# Altium PCB PCB1.PcbDoc
Units mm, origin at the board's own origin, x right, y up, seen from the top; angles counter-clockwise.
Board outline 51.18 x 88.52 mm, 2 copper layers (Top Layer, Bottom Layer); 71 components, 10 nets, 172 pads, 241 vias.
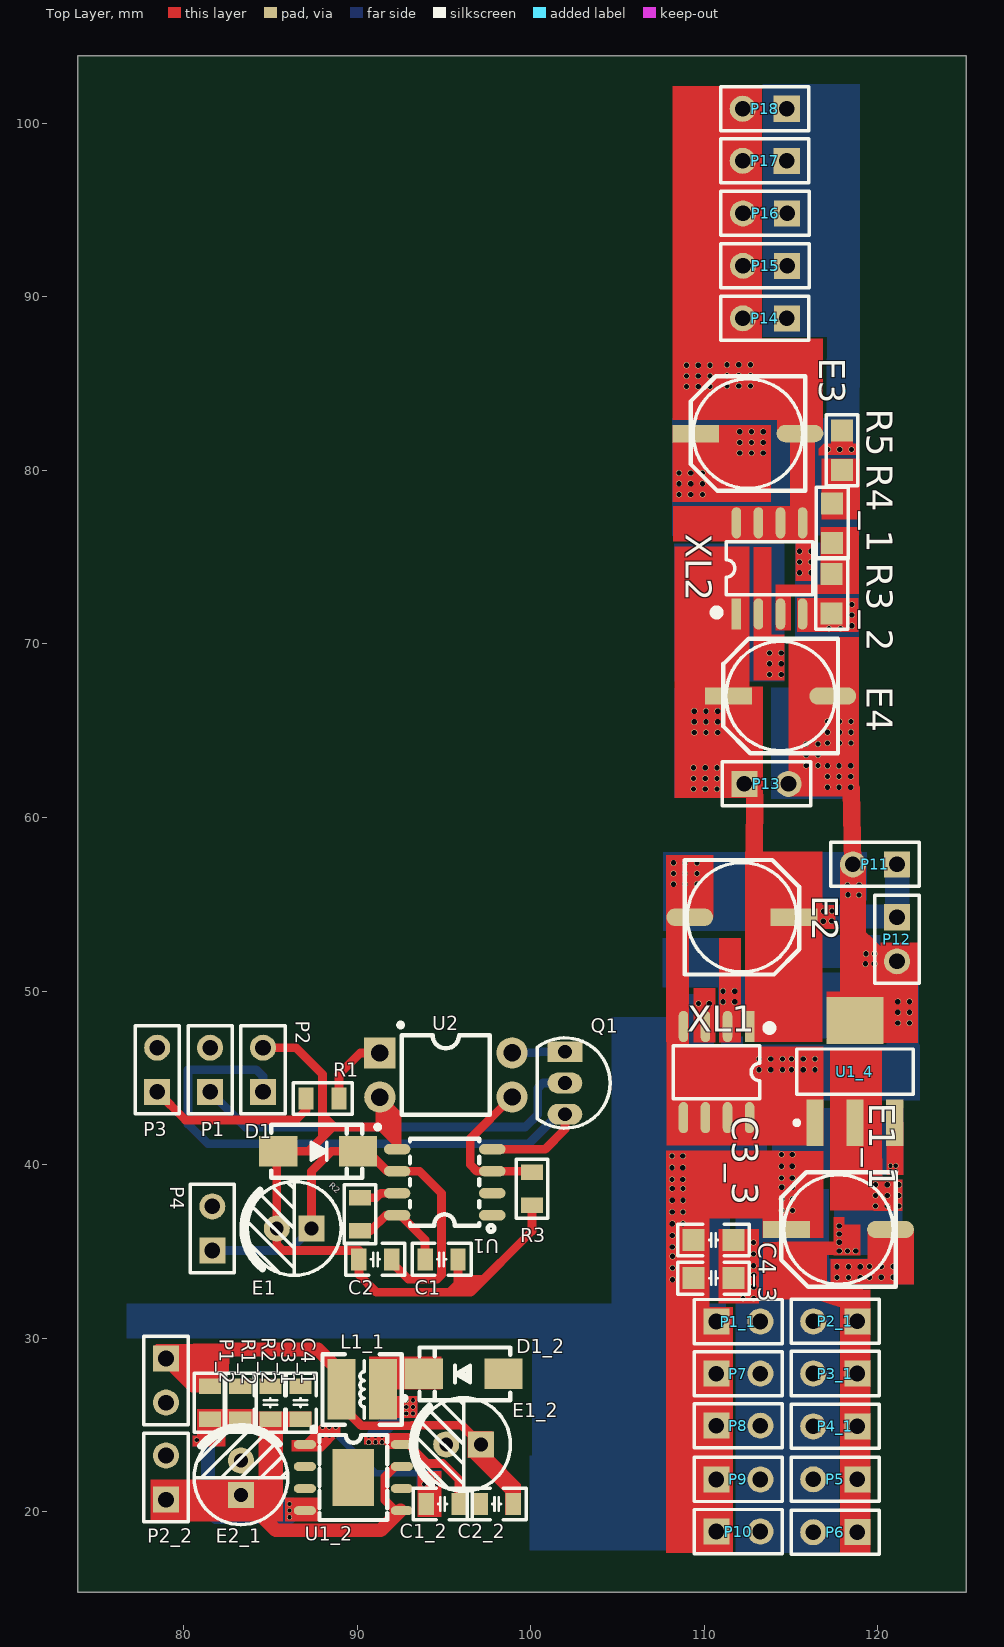
[diagram p0: Top Layer view]
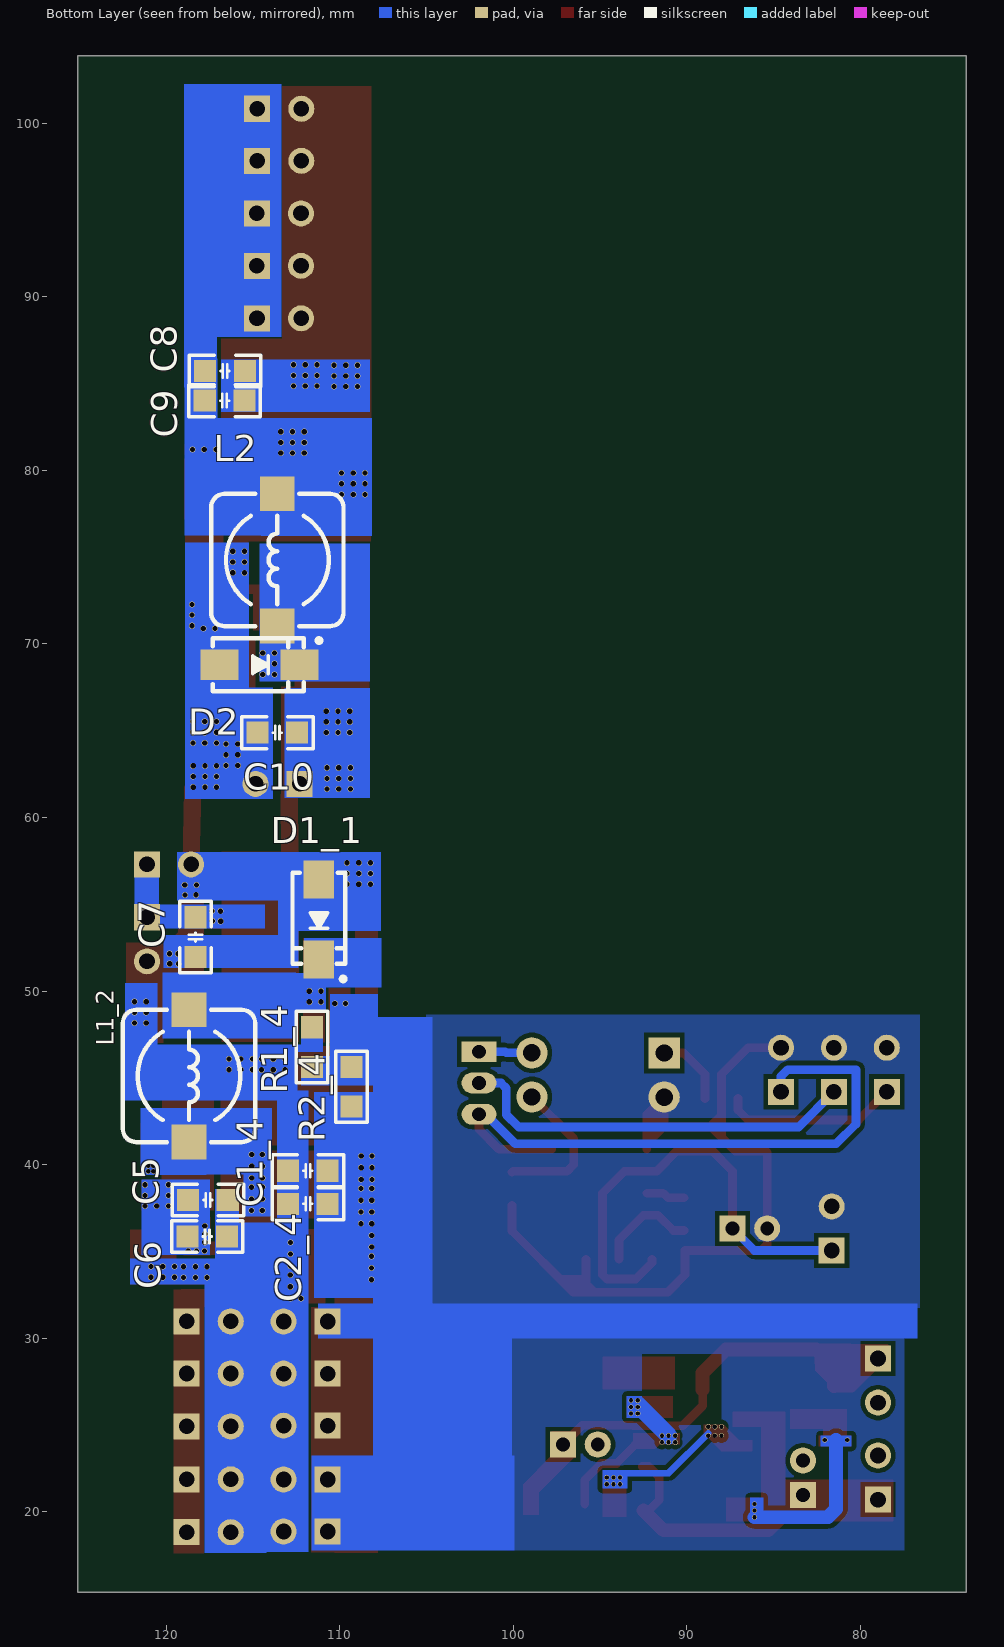
[diagram p1: Bottom Layer view, seen from below]
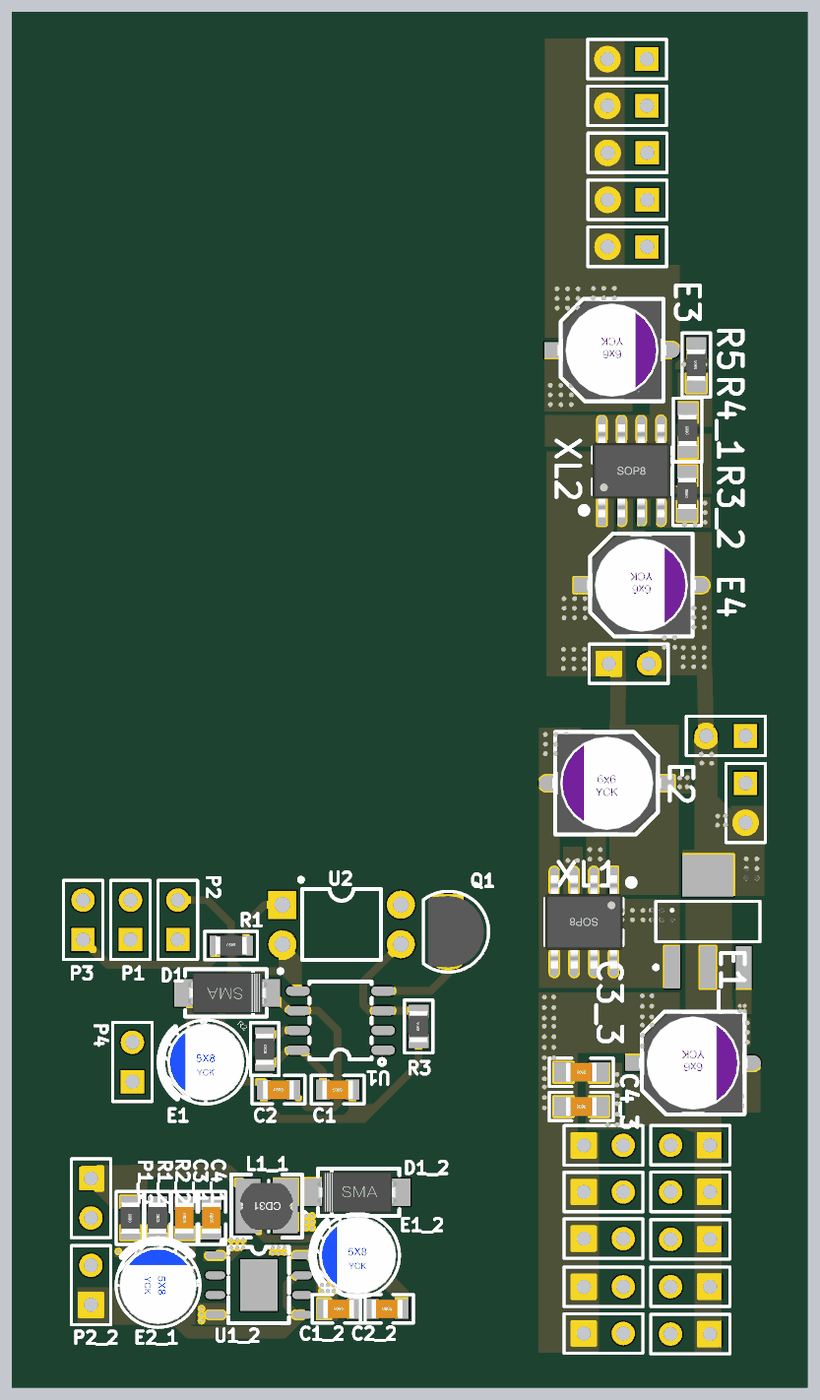
[diagram p2: 3D render of the assembled board from above, using the file's embedded part models]
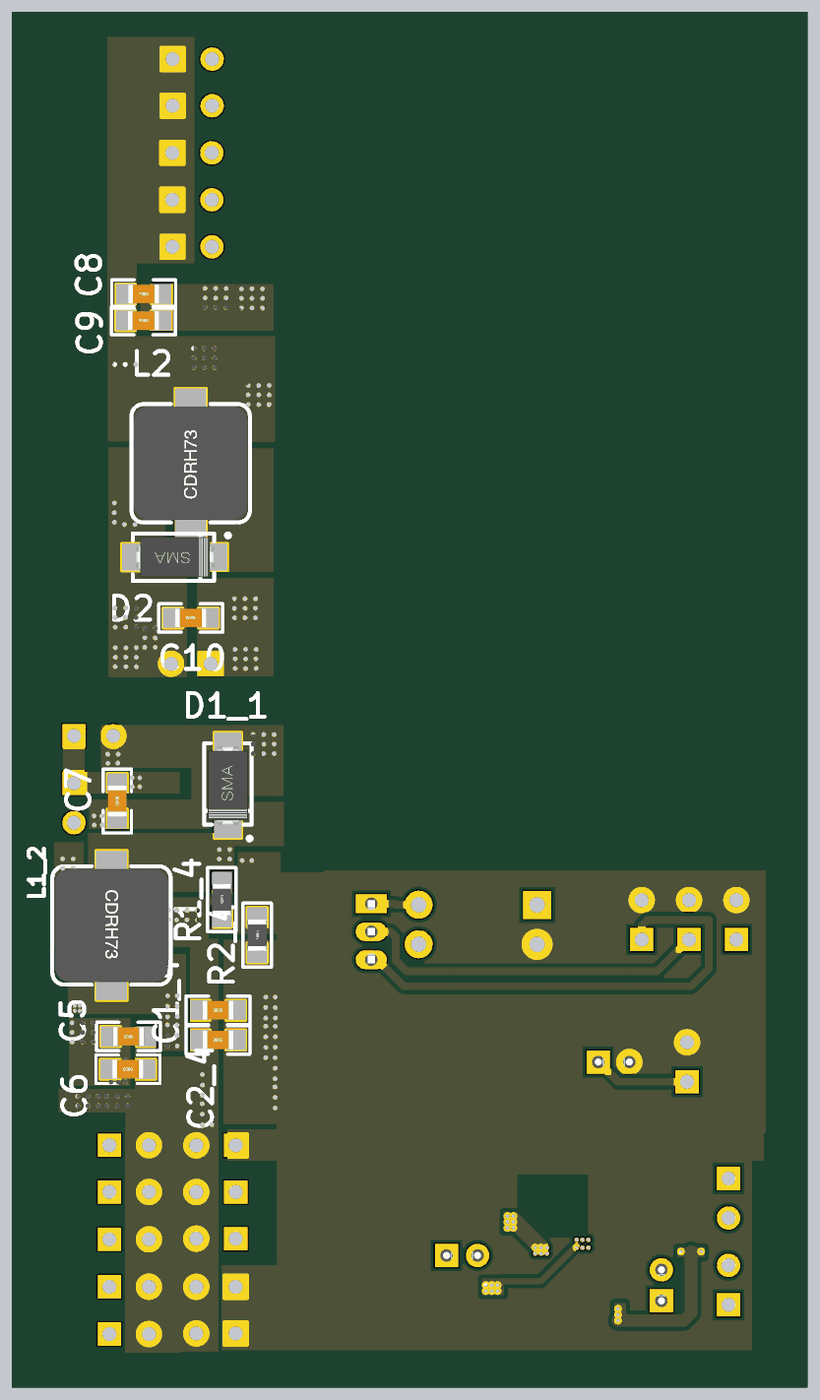
[diagram p3: 3D render of the assembled board from below, using the file's embedded part models]

## Layer stack, top to bottom
Top Solder: solder mask 0.0102, Solder Resist, Dk 3.5
Top Layer: signal copper 0.0356
Dielectric 1: dielectric 0.32, FR-4, Dk 4.8
Bottom Layer: signal copper 0.0356
Bottom Solder: solder mask 0.0102, Solder Resist, Dk 3.5

## Board outline
73.914,15.367 73.914,103.886 125.095,103.886 125.095,15.367

## Design rules (kind name [scope] priority, off if disabled: settings)
Clearance [All] p1: gap=0.254 ignorepadtopadclearanceinfootprint=FALSE except(0: Arc-Hole Track-Hole SMDPad-Hole THPad-Hole Via-Hole Fill-Hole Poly-Hole Region-Hole Text-Hole)
PolygonConnect [All] p1: connectstyle=Direct reliefconductorwidth=0.254 reliefentries=4 polygonreliefangle="90 Angle" airgapwidth=0.254
RoutingVias [All] p1: holewidth=0.711 width=1.27 viastyle="Through Hole" minholewidth=0.711 minwidth=1.27 maxholewidth=0.711 maxwidth=1.27
SolderMaskExpansion [All] p1: expansion=0.102 istentingtop=FALSE
Width [All] p1: maxlimit=1 minlimit=0.254 preferedwidth=0.5
30 further rules are at their usual default settings.

## Classes and differential pairs
component class Sheet1: C1 C2 D1 E1 P1 P2 P3 P4 Q1 R1 R2 R3 U1 U2

## Components (designator, comment, footprint, x,y, rotation, side; value= is the part's Value field where it differs from the comment)
C1 "104" "C 0805_L" 94.869,34.544 r180 top
C1_2 "104" "C 0805_L" 94.93,20.447 r180 top (schematic designator C1)
C1_4 "104" "C 0805_M" 111.841,39.648 r180 bottom (schematic designator C1)
C2 "104" "C 0805_L" 91.059,34.544 r0 top
C2_2 "104" "C 0805_L" 98.044,20.447 r0 top (schematic designator C2)
C2_4 "226" "C 0805_M" 111.841,37.743 r180 bottom (schematic designator C2)
C3_1 "104" "C 0805_L" 85.005,26.289 r270 top (schematic designator C3)
C3_3 "104" "C 0805_M" 110.54,35.659 r180 top (schematic designator C3)
C4_1 "104" "C 0805_L" 86.741,26.289 r270 top (schematic designator C4)
C4_3 "226" "C 0805_M" 110.54,33.459 r180 top (schematic designator C4)
C5 "104" "C 0805_M" 117.602,37.965 r0 bottom
C6 "226" "C 0805_M" 117.64,35.859 r0 bottom
C7 "104" "C 0805_M" 118.318,53.11 r90 bottom
C8 "104" "C 0805_M" 116.62,85.729 r0 bottom
C9 "226" "C 0805_M" 116.64,84.019 r0 bottom
C10 "104" "C 0805_M" 113.6,64.889 r180 bottom
D1 "SS14" SMA 87.757,40.767 r0 top
D1_1 "SS14" SMA 111.206,54.126 r270 bottom (schematic designator D1)
D1_2 "SS14" SMA 96.139,27.94 r180 top (schematic designator D1)
D2 "SS14" SMA 114.63,68.799 r180 bottom
E1 "10uF/6.3V" "CS 2.0*5*8 - C" 86.376,36.322 r0 top
E1_1 "220uF/16V" "CT 6*6 - V" 117.74,36.259 r180 top (schematic designator E1)
E1_2 "10uF/6.3V" "CS 2.0*5*8 - C" 96.139,23.876 r0 top (schematic designator E1)
E2 "100uF/35V" "CT 6*6 - V" 112.174,54.253 r0 top
E2_1 "10uF/6.3V" "CS 2.0*5*8 - C" 83.312,21.955 r270 top (schematic designator E2)
E3 "220uF/16V" "CT 6*6 - V" 112.52,82.119 r180 top
E4 "100uF/35V" "CT 6*6 - V" 114.41,66.999 r180 top
L1_1 "10uH" CD31 90.297,27.051 r180 top (schematic designator L1)
L1_2 "47uH" CDRH73 118.691,45.109 r270 bottom (schematic designator L1)
L2 "47uH" CDRH73 113.6,74.839 r90 bottom
P1 "Header 2" HDR1X2 81.534,44.196 r90 top
P1_1 "Header 2" HDR1X2 110.7,30.959 r0 top (schematic designator P1)
P1_2 "Header 2" HDR1X2 78.994,28.829 r270 top (schematic designator P1)
P2 "Header 2" HDR1X2 84.582,44.196 r90 top
P2_1 "Header 2" HDR1X2 118.826,30.967 r180 top (schematic designator P2)
P2_2 "Header 2" HDR1X2 78.994,20.701 r90 top (schematic designator P2)
P3 "Header 2" HDR1X2 78.486,44.196 r90 top
P3_1 "Header 2" HDR1X2 118.826,27.964 r180 top (schematic designator P3)
P4 "Header 2" HDR1X2 81.661,35.052 r90 top
P4_1 "Header 2" HDR1X2 118.826,24.916 r180 top (schematic designator P4)
P5 "Header 2" HDR1X2 118.826,21.868 r180 top
P6 "Header 2" HDR1X2 118.826,18.82 r180 top
P7 "Header 2" HDR1X2 110.7,27.959 r0 top
P8 "Header 2" HDR1X2 110.7,24.959 r0 top
P9 "Header 2" HDR1X2 110.7,21.859 r0 top
P10 "Header 2" HDR1X2 110.7,18.859 r0 top
P11 "Header 2" HDR1X2 121.112,57.301 r180 top
P12 "Header 2" HDR1X2 121.112,54.253 r270 top
P13 "Header 2" HDR1X2 112.32,61.939 r0 top
P14 "Header 2" HDR1X2 114.77,88.763 r180 top
P15 "Header 2" HDR1X2 114.78,91.789 r180 top
P16 "Header 2" HDR1X2 114.78,94.809 r180 top
P17 "Header 2" HDR1X2 114.76,97.839 r180 top
P18 "Header 2" HDR1X2 114.76,100.839 r180 top
Q1 "S9013" TO92A 101.981,44.704 r180 top
R1 "1K" "R 0805_L" 88.011,43.815 r0 top
R1_2 "1K" "R 0805_L" 81.534,26.289 r90 top (schematic designator R1)
R1_4 "220" "R 0805_M" 111.6,46.772 r270 bottom (schematic designator R1)
R2 "1K" "R 0805_L" 90.17,37.15 r270 top
R2_2 "1K" "R 0805_L" 83.27,26.289 r270 top (schematic designator R2)
R2_4 "680" "R 0805_M" 109.322,44.486 r270 bottom (schematic designator R2)
R3 "1K" "R 0805_L" 100.076,38.608 r90 top
R3_2 "1K" "R 0805_M" 117.35,72.899 r90 top (schematic designator R3)
R4_1 "8.2K" "R 0805_M" 117.38,76.959 r90 top (schematic designator R4)
R5 "470" "R 0805_M" 117.94,81.162 r90 top
U1 "GP8101S" SOIC-8_L4.9-W3.9-P1.27-LS6.0-TR 95.05,38.874 r270 top
U1_2 "TPS5450DDA" SOP-8_L4.9-W3.9-P1.27-LS6.0-TL-EP-1 89.725,22.143 r0 top (schematic designator U1)
U1_4 "LM1117" SOT223_M 118.691,45.363 r90 top (schematic designator U1)
U2 "TLP521GB" DIP-4_L6.4-W4.6-P2.54-LS7.6-BL 95.123,45.466 r270 top
XL1 "XL1509" XL1509 111.981,49.016 r270 top
XL2 "XL1509" XL1509 112.495,70.671 r90 top

## Footprints (in the part's own frame and the unit in brackets; to place one, negate y for a bottom-side part, rotate by r counter-clockwise, add the part's x,y. Pads: shape width x height; smd on the part's side, far side on the other; paste and mask are expansions set on the pad)
"C 0805_L" [mil] "无极性贴片电容"
  rect 35x50 smd: 1(-37.4,0) 2(37.4,0)
  silkscreen extent -67,-36 67,36, body extent -39,-24 39,24, height 20
"C 0805_M" [mil] "无极性贴片电容"
  rect 50x50 smd: 1(-45,0) 2(45,0)
  silkscreen extent -81,-36 81,36, body extent -39,-24 39,24, height 20
CD31 [mm] "3.5*3*1mm（长宽高）"
  rect 1.6x3.5 smd: 1(-1.2,0) 2(1.2,0)
  silkscreen extent -2.29,-2.03 2.29,2.03, body extent -1.72,-1.5 1.72,1.5, height 1.2
CDRH73 [mm] "7.3*7.3*3.4mm（长宽高）https://item.taobao.com/item.htm?ft=t&id=613637044352"
  rect 2x2 smd: 1(-3.81,0) 2(3.81,0)
  silkscreen extent -3.81,-3.81 3.81,3.81, body extent -3.65,-3.65 3.65,3.65, height 3.65
"CS 2.0*5*8 - C" [mm] "脚距2mm , 直径5mm , 高8mm"
  rect 1.5x1.5 hole 0.8: 1(1,0)
  round 1.5 hole 0.8: 2(-1,0)
  silkscreen extent -2.96,-2.7 2.7,2.7, body extent -2.5,-2.5 2.5,2.5, height 8.02
"CT 6*6 - V" [mm] "直径6mm，高6mm"
  rect 2.7x1 smd: 1(3,0)
  oval 2.7x1 smd: 2(-3,0)
  silkscreen extent -3.3,-3.3 3.3,3.3, body extent -3.5,-3.15 3.5,3.15, height 6
DIP-4_L6.4-W4.6-P2.54-LS7.6-BL [mm]
  rect 1.8x1.8 hole 1: 1(-0.964,-3.81)
  round 1.8 hole 1: 2(1.576,-3.81) 3(1.566,3.81) 4(-0.974,3.81)
  silkscreen extent -2.71,-2.74 2.58,2.53
HDR1X2 [mm] "Connector; Header; 2 Position"
  rect 1.5x1.5 hole 0.9: 1(0,0)
  round 1.5 hole 0.9: 2(2.54,0)
  silkscreen extent -1.27,-1.27 3.81,1.27
"R 0805_L" [mil] "1/8W贴片电阻   https://item.taobao.com/item.htm?ft=t&id=613637044352"
  rect 35x50 smd: 1(-37.4,0) 2(37.4,0)
  silkscreen extent -67,-36 67,36, body extent -39,-25 39,25, height 20
"R 0805_M" [mil] "1/8W贴片电阻"
  rect 50x50 smd: 1(-45,0) 2(45,0)
  silkscreen extent -81,-36 81,36, body extent -39,-25 39,25, height 20
SMA [mm] "4.5x2.6*2.2mm（长宽高，不包括引脚）"
  rect 2.2x1.75 smd: 1(-2.3,0) 2(2.3,0)
  silkscreen extent -2.7,-1.52 3.56,1.52, body extent -2.53,-1.3 2.58,1.3, height 2.15
SOIC-8_L4.9-W3.9-P1.27-LS6.0-TR [mm]
  oval 0.6x1.52 smd: 1(1.79,2.74) 2(0.52,2.74) 3(-0.75,2.74) 4(-2.02,2.74) 5(-2.02,-2.74) 6(-0.75,-2.74) 7(0.52,-2.74) 8(1.79,-2.74)
  silkscreen extent -2.62,-2 2.74,2.86
SOP-8_L4.9-W3.9-P1.27-LS6.0-TL-EP-1 [mil]
  oval 50x20 smd: 1(-107.5,68.23) 2(-107.5,18.23) 3(-107.5,-31.77) 4(-107.5,-81.77) 5(112.5,-81.77) 6(112.5,-31.77) 7(112.5,18.23) 8(112.5,68.23)
  rect 94.49x129.92 smd: 9(2.5,-6.77)
  silkscreen extent -92,-103 79,108
SOT223_M [mm] "SOT223, 4-Leads, Body 6.5x3.5mm, Pitch 2.3mm, Lead Span 7mm, IPC Low Density"
  rect 2.7x1 smd: 1(-2.95,2.3) 2(-2.95,0) 3(-2.95,-2.3)
  rect 2.7x3.3 smd: 4(2.95,0)
  silkscreen extent -3.07,-3.35 1.3,3.47, body extent -1.85,-3.35 1.85,3.35, height 1.7
TO92A [mm] "92晶体管"
  rect 2x1.2 hole 0.8: 1(0,-1.8)
  oval 2x1.2 hole 0.8: 2(0,0) 3(0,1.8)
  silkscreen extent -2.6,-2.6 1.6,2.6, body extent -2.3,-2.3 1.3,2.3, height 7.6
XL1509 [mm]
  rect 1.8x0.55 smd: 1(1.058,0.635)
  oval 1.8x0.55 smd: 2(1.058,-0.635) 3(1.058,-1.905) 4(1.058,-3.175) 5(6.308,-3.175) 6(6.308,-1.905) 7(6.308,-0.635) 8(6.308,0.635)
  silkscreen extent 0.99,-3.77 5.21,1.93, body extent 0.68,-3.77 6.69,1.23, height 1.9

## Part data
C1 C1_2 C1_4 C2 C2_2 C2_4 C3_1 C3_3 C4_1 C4_3 C5 C6 C7 C8 C9 C10: library part C, "贴片电容", BOM名称=贴片电容, 下单链接=https://item.taobao.com/item.htm?ft=t&id=613637044352, 淘宝ID=小糖豆的小窝窝
D1 D1_1 D1_2 D2: "肖特基二极管", BOM名称=肖特基二极管, 下单链接=https://item.taobao.com/item.htm?ft=t&id=613637044352, 淘宝ID=小糖豆的小窝窝
E1 E1_2 E2_1: library part CS, "直插固态电容", BOM名称=直插固态电容, 下单链接=https://item.taobao.com/item.htm?ft=t&id=613637044352, 淘宝ID=小糖豆的小窝窝
E1_1 E2 E3 E4: library part CS_SMD, "贴片固态电容", BOM名称=贴片固态电容, 下单链接=https://item.taobao.com/item.htm?ft=t&id=613637044352, 淘宝ID=小糖豆的小窝窝
L1_1: library part L-SMD, "CD系列贴片线绕功率电感", BOM名称=CD系列贴片线绕功率电感, 下单链接=https://item.taobao.com/item.htm?ft=t&id=613637044352, 淘宝ID=小糖豆的小窝窝
L1_2 L2: library part L-CDRH, "功率屏蔽电感", BOM名称=功率屏蔽电感, 下单链接=https://item.taobao.com/item.htm?ft=t&id=613637044352, 淘宝ID=小糖豆的小窝窝
P1 P1_1 P1_2 P2 P2_1 P2_2 P3 P3_1 P4 P4_1 P5 P6 P7 P8 P9 P10 P11 P12 P13 P14 P15 P16 P17 P18: "Header, 2-Pin", LatestRevisionDate=17-Jul-2002, LatestRevisionNote="Re-released for DXP Platform.", Publisher="Altium Limited"
Q1: library part 9013-DIP, "低频放大-NPN型", BOM名称=低频放大-NPN型, 下单链接=https://item.taobao.com/item.htm?ft=t&id=613637044352, 淘宝ID=小糖豆的小窝窝
R1 R1_2 R1_4 R2 R2_2 R2_4 R3 R3_2 R4_1 R5: library part R, "贴片电阻", BOM名称=贴片电阻, 下单链接=https://item.taobao.com/item.htm?ft=t&id=613637044352, 淘宝ID=小糖豆的小窝窝
U1_4: "三端稳压芯片", BOM名称=三端稳压芯片, 下单链接=https://item.taobao.com/item.htm?ft=t&id=613637044352, 淘宝ID=小糖豆的小窝窝

## Via types
v1: diameter 0.35, hole 0.3, Top Layer to Bottom Layer, 208 vias
v2: diameter 0.3, hole 0.246, Top Layer to Bottom Layer, 29 vias
v3: diameter 0.3, hole 0.254, Top Layer to Bottom Layer, 4 vias

## Nets (pads, with @x,y where several pads share a name; then routed paths per layer and width w, separated by ;. In a path a pad name is that pad's centre, name@x,y a point inside that pad or via, vN(x,y) a via of type N, cw(c..) or ccw(c..) an arc to the next point about the centre after c; other vN are vias at no path point)
+5: P1.1 Q1.2 | length 23.2
  Bottom Layer w0.5: P1.1 83.566,42.164 99.695,42.164 100.406,42.875 100.406,44.399 100.711,44.704 Q1.2
GND: C1.1 C2.1 D1.1 E1.2 P1.2 P2.2 P3.2 P4.2 R3.1 U1.5 U2.2 | length 45.4
  Top Layer w0.5: P2.2 86.487,46.736 88.011,45.212 88.011,41.58 ; U2.2 92.31,42.893 92.31,42.164 ; U1.5 92.31,42.164 ; 95.77,32.651 95.819,32.7 C1.1 ; R3.1 100.076,36.17 96.557,32.651 95.819,32.651 91.113,32.651 90.109,33.655 C2.1 90.109,35.052 85.725,35.052 85.376,35.401 E1.2 85.376,40.686 D1.1 87.198,40.767 88.011,41.58 ; 88.011,41.58 88.595,42.164 92.31,42.164
NetC1_2: C1.2 R2.2 U1.8 | length 5.8
  Top Layer w0.5: R2.2 90.78,36.2 91.664,37.084 U1.8 92.507,37.084 93.919,35.672 C1.2
NetC2_2: C2.2 D1.2 E1.1 P4.1 U1.6 | length 26.8
  Top Layer w0.5: E1.1 87.376,39.624 88.519,40.767 D1.2 90.602,40.767 91.745,39.624 U1.6 93.599,39.624 94.869,38.354 94.869,33.659 94.615,33.405 92.945,33.405 92.009,34.341 C2.2
  Bottom Layer w0.5: P4.1 86.106,35.052 E1.1
NetP3_1: P3.1 R1.1 | length 10.2
  Top Layer w0.5: P3.1 80.112,42.57 86.487,42.57 87.061,43.144 R1.1
NetQ1_1: Q1.1 U2.4 | length 3.1
  Bottom Layer w0.5: U2.4 100.406,46.44 100.47,46.504 Q1.1
NetR1_2: R1.2 U2.1 | length 4.3
  Top Layer w0.5: R1.2 88.961,45.212 90.179,46.43 U2.1
NetR2_1: R2.1 U1.7 | length 2.2
  Top Layer w0.5: R2.1 91.11,38.1 91.364,38.354 U1.7
NetR3_2: R3.2 U1.3 U2.3 | length 8.6
  Top Layer w0.5: U2.3 96.52,41.487 96.52,40.005 96.901,39.624 100.01,39.624 R3.2
VCC: P2.1 Q1.3 U1.4 | length 36.9
  Top Layer w0.5: U1.4 100.838,40.894 101.981,42.037 Q1.3
  Bottom Layer w0.5: P2.1 84.582,45.085 84.201,45.466 80.264,45.466 80.264,42.342 81.407,41.199 99.895,41.199 101.6,42.904 Q1.3
pads on no net: C1_2.1 C1_2.2 C1_4.1 C1_4.2 C2_2.1 C2_2.2 C2_4.1 C2_4.2 C3_1.1 C3_1.2 C3_3.1 C3_3.2 C4_1.1 C4_1.2 C4_3.1 C4_3.2 C5.1 C5.2 C6.1 C6.2 C7.1 C7.2 C8.1 C8.2 C9.1 C9.2 C10.1 C10.2 D1_1.1 D1_1.2 D1_2.1 D1_2.2 D2.1 D2.2 E1_1.1 E1_1.2 E1_2.1 E1_2.2 E2.1 E2.2 E2_1.1 E2_1.2 E3.1 E3.2 E4.1 E4.2 L1_1.1 L1_1.2 L1_2.1 L1_2.2 L2.1 L2.2 P1_1.1 P1_1.2 P1_2.1 P1_2.2 P2_1.1 P2_1.2 P2_2.1 P2_2.2 P3_1.1 P3_1.2 P4_1.1 P4_1.2 P5.1 P5.2 P6.1 P6.2 P7.1 P7.2 P8.1 P8.2 P9.1 P9.2 P10.1 P10.2 P11.1 P11.2 P12.1 P12.2 P13.1 P13.2 P14.1 P14.2 P15.1 P15.2 P16.1 P16.2 P17.1 P17.2 P18.1 P18.2 R1_2.1 R1_2.2 R1_4.1 R1_4.2 R2_2.1 R2_2.2 R2_4.1 R2_4.2 R3_2.1 R3_2.2 R4_1.1 R4_1.2 R5.1 R5.2 U1.1 U1.2 U1_2.1 U1_2.2 U1_2.3 U1_2.4 U1_2.5 U1_2.6 U1_2.7 U1_2.8 U1_2.9 U1_4.1 U1_4.2 U1_4.3 U1_4.4 XL1.1 XL1.2 XL1.3 XL1.4 XL1.5 XL1.6 XL1.7 XL1.8 XL2.1 XL2.2 XL2.3 XL2.4 XL2.5 XL2.6 XL2.7 XL2.8
copper on no net: | length 80.5
  Top Layer w0.5: 89.097,27.051 89.097,26.101 90.247,24.951 93.131,24.951 93.156,24.976 96.039,24.976 97.139,23.876 ; 92.583,20.066 92.494,20.066 92.204,20.066 91.598,20.672 91.598,22 92.204,22.606 92.583,22.606 ; 92.583,23.876 92.964,23.876 94.064,22.776 94.94,22.776 95.88,21.836 95.88,20.447
  Top Layer w0.8: 78.994,28.829 80.54,27.283 81.49,27.283 81.534,27.239 81.534,28.321 82.55,29.337 87.761,29.337 89.097,28.001 89.097,27.051 ; 83.312,20.955 85.336,18.931 91.359,18.931 92.494,20.066
  Top Layer w1: 112.89,58.029 112.921,61.239 ; 114.75,54.269 115.158,54.269 115.41,54.017 115.41,53.969 115.41,53.939 ; 115.164,54.263 115.42,54.519 ; v1@118.47,61.659 118.572,57.301
  Top Layer w1.5: 118.572,57.301 118.572,56.119 118.572,53.107 119.333,52.346 119.618,52.061 119.95,51.729 121.096,51.729 121.112,51.713
  Bottom Layer w0.381: v2@88.773,24.511 91.059,22.225 93.653,22.225
  Bottom Layer w0.8: 81.407,24.13 81.407,20.154 81.876,19.685 v2(86.106,19.685)
  Bottom Layer w1: v2(91.059,24.384) 92.837,26.162 92.964,26.162 ; 110.76,57.509 110.81,57.459 114.2,57.459 ; 114.86,61.939 114.956,61.843
  other v1: 112.24,32.289 112.855,32.289 112.855,32.964 108.17,33.369 117.65,33.504 118.325,33.504 119,33.504 119.53,33.509 120.205,33.509 120.88,33.509 112.855,33.639 108.17,34.044 117.65,34.119 118.325,34.119 119,34.119 119.53,34.124 120.205,34.124 120.88,34.124 112.85,34.169 108.17,34.719 112.85,34.844 117.79,35.029 118.26,35.029 118.73,35.029 108.165,35.249 112.85,35.519 117.78,35.529 108.165,35.924 117.78,35.999 117.78,36.469 108.165,36.599 108.78,36.599 108.16,37.269 108.775,37.269 114.47,37.349 115.085,37.349 119.88,37.609 120.555,37.609 121.23,37.609 108.16,37.944 108.775,37.944 114.47,38.024 115.085,38.024 119.88,38.224 120.555,38.224 121.23,38.224 108.16,38.619 108.775,38.619 114.47,38.699 115.085,38.699 119.88,38.839 120.555,38.839 121.23,38.839 108.155,39.149 108.77,39.149 114.465,39.229 115.08,39.229 108.155,39.824 108.77,39.824 114.465,39.904 115.08,39.904 108.155,40.499 108.77,40.499 114.465,40.579 115.08,40.579 113.16,45.464 113.835,45.464 114.51,45.464 115.04,45.469 115.715,45.469 116.39,45.469 113.16,46.079 113.835,46.079 114.51,46.079 115.04,46.084 115.715,46.084 116.39,46.084 121.16,48.159 121.835,48.159 121.16,48.774 121.835,48.774 109.675,49.289 110.29,49.289 111.085,49.379 111.76,49.379 121.16,49.389 121.835,49.389 111.085,49.994 111.76,49.994 119.3,51.569 119.804,51.572 119.32,52.149 119.814,52.152 116.864,54.022 117.349,54.032 116.874,54.602 117.359,54.612 118.288,55.544 118.928,55.539 118.263,56.119 118.938,56.119 108.23,56.159 108.905,56.159 109.58,56.159 108.23,56.774 108.905,56.774 109.58,56.774 108.23,57.389 108.905,57.389 109.58,57.389 109.39,61.639 110.065,61.639 110.74,61.639 117.1,61.749 117.775,61.749 118.45,61.749 109.39,62.254 110.065,62.254 110.74,62.254 117.1,62.364 117.775,62.364 118.45,62.364 109.39,62.869 110.065,62.869 110.74,62.869 117.1,62.979 117.775,62.979 118.45,62.979 115.88,62.999 116.555,62.999 115.88,63.614 116.555,63.614 115.88,64.229 116.555,64.229 117.11,64.299 117.785,64.299 118.46,64.299 109.43,64.899 110.105,64.899 110.78,64.899 117.11,64.914 117.785,64.914 118.46,64.914 109.43,65.514 110.105,65.514 110.78,65.514 117.11,65.529 117.785,65.529 118.46,65.529 109.43,66.129 110.105,66.129 110.78,66.129 113.765,68.249 114.44,68.249 113.765,68.864 114.44,68.864 113.765,69.479 114.44,69.479 117.19,70.899 117.865,70.899 118.51,71.049 118.51,71.664 118.51,72.279 115.495,74.099 116.17,74.109 115.495,74.719 116.17,74.724 115.495,75.339 116.17,75.339 108.55,78.619 109.225,78.619 109.9,78.619 108.55,79.234 109.225,79.234 109.9,79.234 108.55,79.849 109.225,79.849 109.9,79.849 112.05,80.999 112.725,80.999 113.4,80.999 117.14,81.199 117.815,81.199 118.49,81.199 112.05,81.614 112.725,81.614 113.4,81.614 112.05,82.229 112.725,82.229 113.4,82.229 108.98,84.829 109.655,84.829 110.33,84.829 111.32,84.859 111.995,84.859 112.67,84.859 108.98,85.444 109.655,85.444 110.33,85.444 111.32,85.474 111.995,85.474 112.67,85.474 108.98,86.059 109.655,86.059 110.33,86.059 111.32,86.089 111.995,86.089 112.67,86.089
  other v2: 86.106,20.066 86.106,20.447 93.853,21.59 94.234,21.59 94.615,21.59 93.853,21.971 94.234,21.971 94.615,21.971 90.678,24.003 91.059,24.003 91.44,24.003 80.757,24.13 82.057,24.13 88.011,24.384 88.392,24.384 88.773,24.384 90.678,24.384 91.44,24.384 88.011,24.892 88.392,24.892 88.773,24.892 92.837,25.654 93.218,25.654 92.837,26.035 93.218,26.035 92.837,26.416 93.218,26.416
  other v3: 120.74,39.609 121.05,39.609 120.74,39.939 121.05,39.939

## Polygon pours and split planes (outlines as drawn)
no net on Bottom Layer "NONET_L-01_P-001" (solid, pour order 6): 77.47,30.226 77.47,17.78 100.33,17.78 100.33,30.226
GND on Bottom Layer "NONET_L-01_P-001" (solid, pour order 0): 76.581,48.641 76.581,31.75 105.029,31.75 105.029,48.641

## Other copper
Top Layer:
  rectangle: 85.852,19.431 87.757,20.828
  rectangle: 78.105,19.431 85.725,21.844
  rectangle: 84.328,21.717 85.725,25.781
  rectangle: 80.518,23.749 82.423,24.384
  rectangle: 80.772,23.749 82.169,25.146
  rectangle: 80.772,24.765 84.074,25.908
  rectangle: 84.328,24.892 87.376,25.781
  rectangle: 90.805,25.4 93.472,26.67
  rectangle: 93.472,19.685 94.869,22.352
  rectangle: 90.678,27.051 94.869,28.956
  rectangle net GND: 91.059,42.418 91.821,43.18
  region: 110.86,53.049 110.86,47.049 112.12,47.049 112.12,53.049
  region: 117.83,52.418 117.83,49.529 120.35,49.529 120.35,52.418
  region: 117.83,53.107 117.83,52.299 118.572,52.299 118.572,53.107
  region: 112.56,48.859 112.56,47.069 113.96,47.069 113.96,48.859
  region: 107.81,57.849 107.81,54.229 110.53,54.229 110.53,57.849
  region: 107.81,54.439 107.81,47.079 109.14,47.079 109.14,54.439
  region: 109.38,50.169 109.38,47.049 110.65,47.049 110.65,50.169
  region: 107.82,47.609 107.82,41.779 109.14,41.779 109.14,47.609
  region: 107.82,46.829 107.82,41.089 113.04,41.089 113.04,46.829
  region: 112.45,46.819 112.45,43.709 113.89,43.709 113.89,46.819
  region: 112.45,46.819 112.45,41.089 116.89,41.089 116.89,46.819
  region: 120.5,42.419 120.5,39.409 121.49,39.409 121.49,42.419
  region: 118.18,41.209 118.18,38.799 119.18,38.799 119.18,41.209
  region: 118.64,40.349 118.64,38.789 120.28,38.789 120.28,40.349
  region: 119.76,39.779 119.76,37.339 120.28,37.339 120.28,39.779
  region: 113.36,40.799 113.36,35.769 116.87,35.769 116.87,40.799
  region: 107.79,40.809 107.79,36.899 114.35,36.899 114.35,40.809
  region: 119.4,36.259 119.4,33.079 122.08,33.079 122.08,36.259
  region: 117.29,34.569 117.29,33.079 122.07,33.079 122.07,34.569
  region: 117.46,36.539 117.46,34.769 119.01,34.769 119.01,36.539
  region: 114.24,35.559 114.24,34.779 118.15,34.779 118.15,35.559
  region: 115.81,35.529 115.81,32.439 117.08,32.439 117.08,35.529
  region: 110.82,36.279 110.82,31.999 113.16,31.999 113.16,36.279
  region: 107.79,37.049 107.79,17.619 110.32,17.619 110.32,37.049
  region: 109.4,31.799 109.4,17.639 111.67,17.639 111.67,31.799
  region: 117.82,32.819 117.82,17.589 119.58,17.589 119.58,32.819
  region: 118.93,61.209 118.93,70.409 114.85,70.409 114.85,61.209
  region: 116.38,73.629 116.38,77.939 115.25,77.939 115.25,73.629
  region: 116.38,75.909 116.38,77.939 108.2,77.939 108.2,75.909
  region: 118.88,70.689 118.88,72.659 115.36,72.659 115.36,70.689
  region: 115,70.779 115,73.419 114.11,73.419 114.11,70.779
  region: 117.99,72.869 117.99,73.429 114.11,73.429 114.11,72.869
  region: 113.38,61.119 113.38,67.539 108.3,67.539 108.3,61.119
  region: 112.62,67.359 112.62,75.609 108.28,75.609 108.28,67.359
  region: 111.94,70.839 111.94,72.619 110.06,72.619 110.06,70.839
  region: 113.88,67.909 113.88,75.599 112.85,75.599 112.85,67.909
  region: 114.63,67.909 114.63,70.539 112.86,70.539 112.86,67.909
  region: 118.92,72.869 118.92,76.729 116.71,76.729 116.71,72.869
  region: 116.38,77.639 116.38,82.579 114.95,82.579 114.95,77.639
  region: 113.84,78.179 113.84,82.629 108.17,82.629 108.17,78.179
  region: 118.97,77.179 118.97,80.679 116.75,80.679 116.75,77.179
  region: 118.57,80.889 118.57,82.909 117.3,82.909 117.3,80.889
  region: 118.95,80.879 118.95,81.549 116.89,81.549 116.89,80.879
  region: 116.86,82.139 116.86,87.609 114.19,87.609 114.19,82.139
  region: 113.34,82.909 113.34,102.159 108.19,102.159 108.19,82.909
  region: 117.24,46.629 117.24,37.349 120.24,37.349 120.24,46.629
  region: 113.39,35.549 113.39,32.219 116.52,32.219 116.52,35.549
  region: 114.79,82.919 114.79,87.609 112.92,87.609 112.92,82.919
  region: 120.23,39.139 120.23,37.339 121.44,37.339 121.44,39.139
  region: 117.46,36.979 117.46,36.499 118.09,36.499 118.09,36.979
  region: 112.35,58.039 112.35,47.069 116.81,47.069 116.81,58.039
  region: 120.17,52.789 120.17,47.009 122.33,47.009 122.33,52.789
  region: 116.73,54.959 116.73,53.589 117.57,53.589 117.57,54.959
  region: 117.05,49.989 117.05,49.579 117.95,49.579 117.95,49.989
  region: 86.233,24.13 86.995,24.13 87.884,25.019 89.027,25.019 89.027,24.511 88.011,23.495 86.233,23.495
  region: 78.295,29.527 78.422,29.654 82.677,29.718 82.614,28.13 81.978,27.495 80.454,27.495
  region: 90.424,23.876 91.567,23.876 91.821,23.622 93.091,23.622 93.091,24.511 90.424,24.511
  region: 96.393,24.638 96.393,23.114 96.52,23.114 98.552,21.082 98.552,19.812 99.441,19.812 99.441,21.59 97.79,23.241 97.79,24.638
  region net GND: 88.138,43.053 89.027,42.164 88.265,42.164 88.011,41.91
  region net GND: 91.821,43.18 90.922,42.282 92.31,40.894 92.31,42.893
  region net GND: 95.631,33.274 95.25,32.893 95.626,32.893 95.819,32.7
  region net GND: 95.704,33.622 97.539,33.622 96.098,32.586
  region: 119.58,31.709 119.15,32.139 119.15,32.809 116.99,32.809 116.98,32.819 116.61,32.449 117.34,32.449 118.09,31.699
  region: 119.58,31.709 119.15,32.139 119.15,32.809
  region: 118.09,31.699 117.34,32.449 115.81,32.449
  region: 116.89,81.549 116.6,81.239 116.6,80.879 116.923,80.879
Bottom Layer:
  rectangle net GND: 100.076,21.717 108.077,30.226
  rectangle net GND: 76.708,29.972 111.252,32.004
  rectangle: 99.949,17.78 111.633,23.241
  rectangle net GND: 104.648,30.607 108.077,48.514
  rectangle: 80.518,23.749 82.296,24.384
  rectangle: 85.598,19.431 86.36,20.828
  rectangle: 92.583,25.4 93.472,26.67
  rectangle: 93.433,21.336 94.869,22.391
  region: 107.63,58.009 107.63,53.449 112.75,53.449 112.75,58.009
  region: 112.38,55.489 112.38,51.319 113.56,51.319 113.56,55.489
  region: 111.09,51.509 111.09,49.449 111.62,49.449 111.62,51.509
  region: 107.81,49.819 107.81,44.549 110.57,44.549 110.57,49.819
  region: 110.96,47.379 110.96,46.479 112.24,46.479 112.24,47.379
  region: 111.81,44.259 111.81,31.219 113.63,31.219 113.63,44.259
  region: 109.78,40.279 109.78,37.079 111.33,37.079 111.33,40.279
  region: 107.82,44.179 107.82,32.309 111.49,32.309 111.49,44.179
  region: 109.4,46.259 109.4,44.549 112.23,44.549 112.23,46.259
  region: 117.69,43.249 117.69,39.409 121.5,39.409 121.5,43.249
  region: 118.12,39.149 118.12,37.339 120.28,37.339 120.28,39.149
  region: 113.9,43.269 113.9,39.419 117.89,39.419 117.89,43.269
  region: 113.91,39.519 113.91,37.019 115.54,37.019 115.54,39.519
  region: 115.82,38.599 115.82,33.099 117.19,33.099 117.19,38.599
  region: 115.86,34.579 115.86,33.079 122.09,33.079 122.09,34.579
  region: 117.47,39.149 117.47,34.799 121.44,34.799 121.44,39.149
  region: 117.47,36.559 117.47,34.789 119.37,34.789 119.37,36.559
  region: 114.23,32.049 114.23,17.619 117.81,17.619 117.81,32.049
  region: 111.81,32.019 111.81,17.669 114.66,17.669 114.66,32.019
  region: 113.27,36.669 113.27,31.949 117.2,31.949 117.2,36.669
  region: 113.19,61.119 113.19,67.449 108.27,67.449 108.27,61.119
  region: 118.91,61.059 118.91,67.499 113.85,67.499 113.85,61.059
  region: 118.91,65.359 118.91,69.849 115.77,69.849 115.77,65.359
  region: 118.87,68.849 118.87,72.439 116.71,72.439 116.71,68.849
  region: 118.91,64.629 118.91,75.859 115.23,75.859 115.23,64.629
  region: 116.4,71.969 116.4,75.859 115.24,75.859 115.24,71.969
  region: 114.62,67.829 114.62,75.789 108.27,75.789 108.27,67.829
  region: 114.54,76.219 114.54,83.029 108.16,83.029 108.16,76.219
  region: 118.94,76.239 118.94,83.019 114.27,83.019 114.27,76.239
  region: 118.94,82.819 118.94,86.439 117.05,86.439 117.05,82.819
  region: 116.84,83.359 116.84,86.379 108.25,86.379 108.25,83.359
  region: 118.98,84.769 118.98,102.259 117.08,102.259 117.08,84.769
  region: 118.98,87.689 118.98,102.259 113.36,102.259 113.36,87.689
  region: 117.03,33.349 117.03,31.579 117.79,31.579 117.79,33.349
  region: 107.61,53.059 107.61,50.199 112.07,50.199 112.07,53.059
  region: 112.45,46.919 112.45,43.709 122.45,43.709 122.45,46.919
  region: 112.01,46.919 112.01,46.479 112.73,46.479 112.73,46.919
  region: 114.3,54.979 114.3,53.609 121.82,53.609 121.82,54.979
  region: 120.42,57.989 120.42,53.669 121.83,53.669 121.83,57.989
  region: 112.52,51.059 112.52,47.259 120.21,47.259 120.21,51.059
  region: 110.8,51.049 110.8,48.789 116.72,48.789 116.72,51.049
  region: 120.5,50.459 120.5,46.029 122.39,46.029 122.39,50.459
  region: 110.26,58.009 110.26,55.229 119.37,55.229 119.37,58.009
  region: 112.59,53.229 112.59,51.329 120.15,51.329 120.15,53.229
  pour cut-out: 88.011,29.083 92.583,29.083 92.583,25.019 88.011,25.019

## Silkscreen, mask and mechanical layers (free items; w line width, h text height)
Mechanical 1:
  the board outline again, w0.8